# KiCad board keyboard - Hackpadv2.kicad_pcb
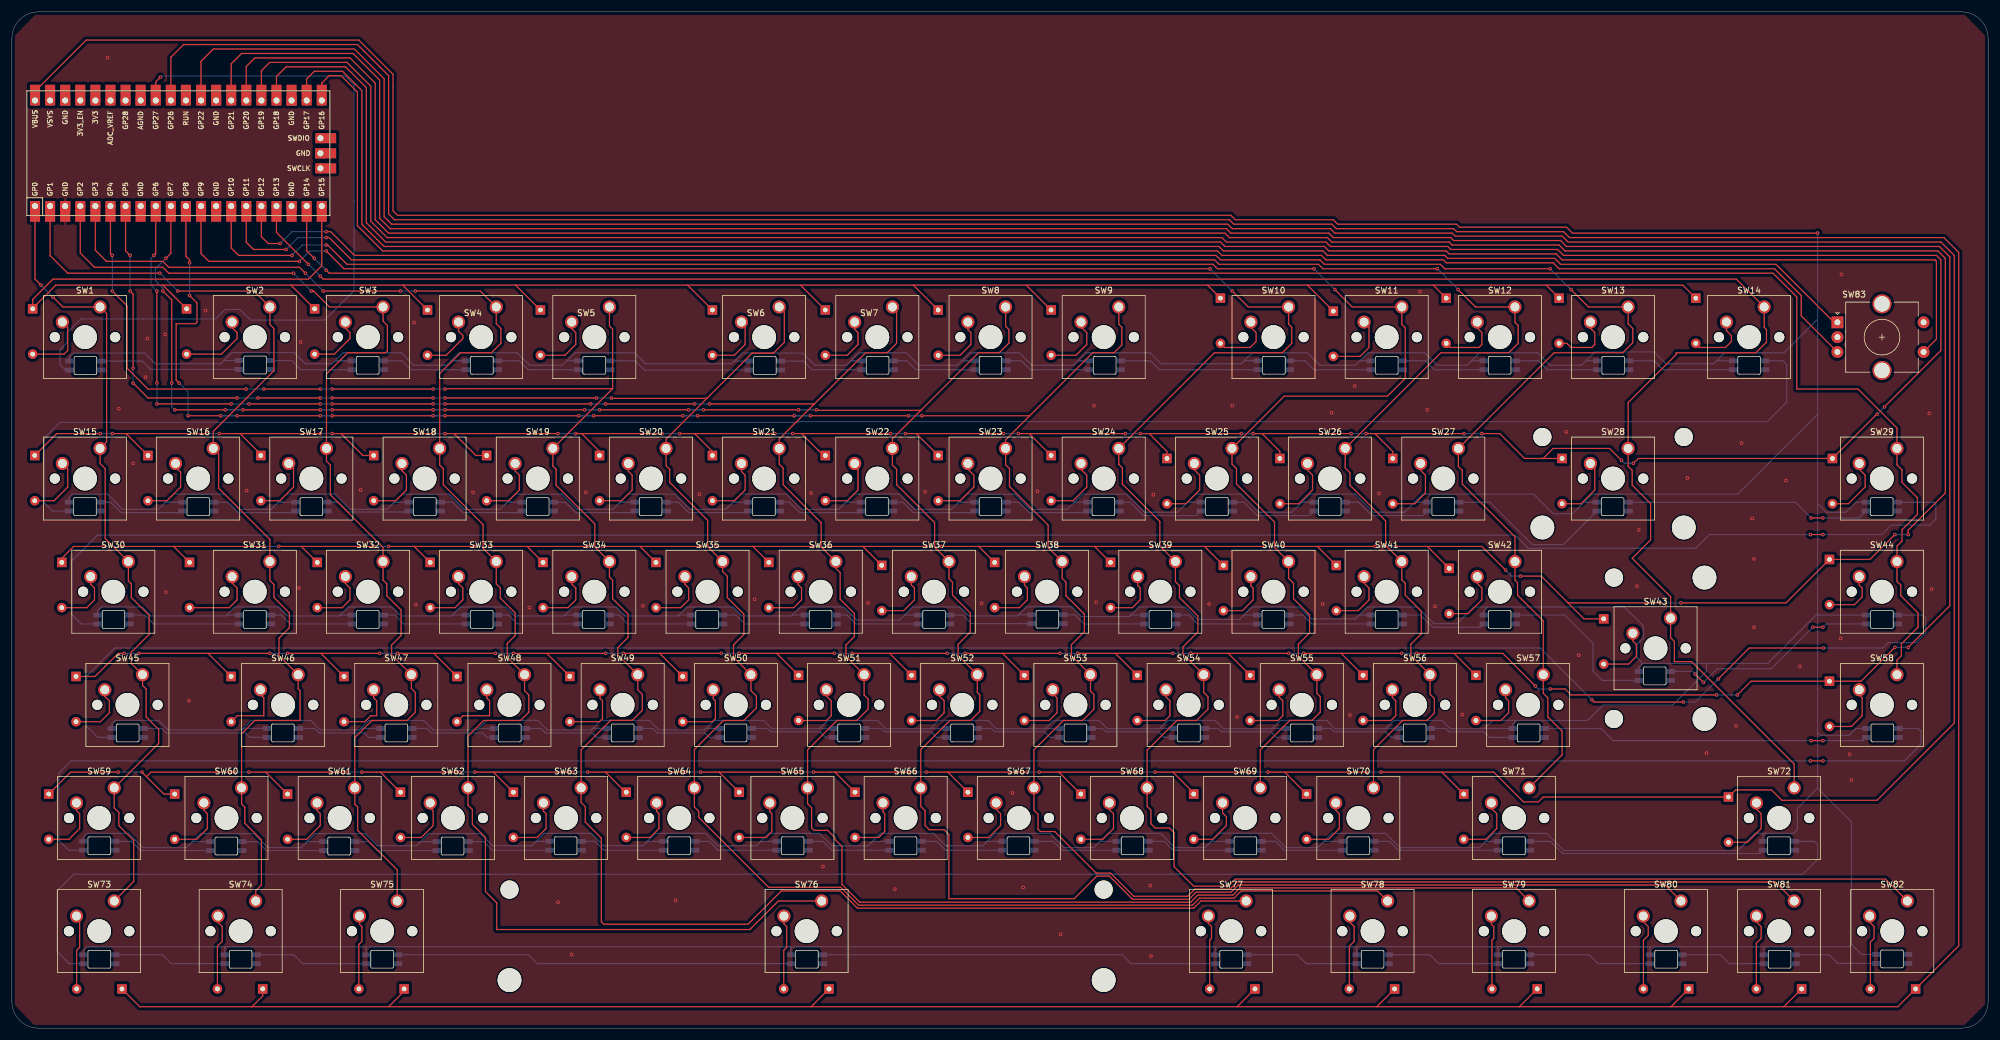
[diagram p0: board, top side]
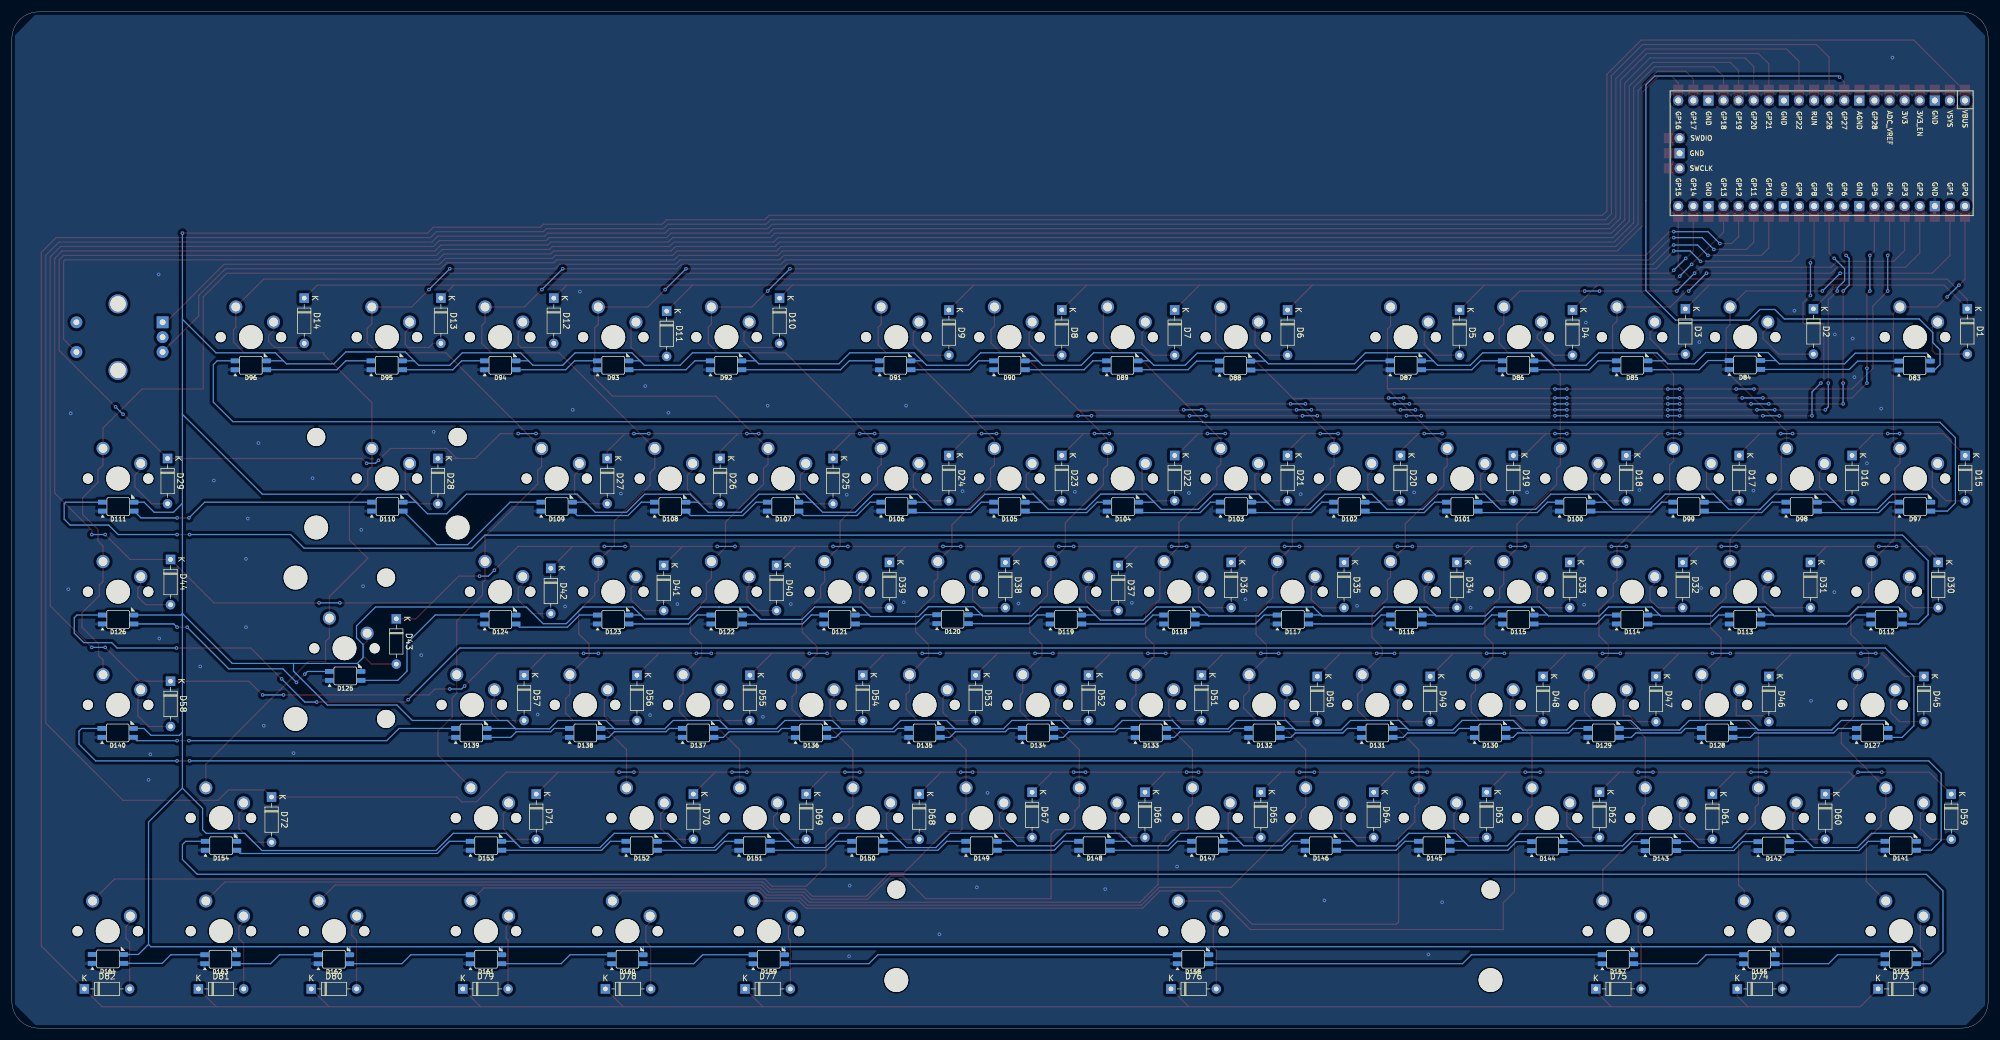
[diagram p1: board, bottom side, seen from below]

Outline 332.6 x 171.1 mm; copper layers: Top, Bottom. Coordinates in mm from the lower left corner of the outline.
Outline path: 0,166.6 0,4.5 arc(1.32,1.32) 4.5,0 328.02,0 arc(331.25,1.29) 332.6,4.5 332.6,166.6 arc(331.28,169.78) 328.1,171.1 4.5,171.1 arc(1.32,169.78) 0,166.6

## Placement (name value [footprint] x y rotation side)
D1  1N4148  [D_DO-35_SOD27_P7.62mm_Horizontal]  3.5 121.1 270 bottom
D2  1N4148  [D_DO-35_SOD27_P7.62mm_Horizontal]  29.4 121.1 270 bottom
D3  1N4148  [D_DO-35_SOD27_P7.62mm_Horizontal]  50.95 121.1 270 bottom
D4  1N4148  [D_DO-35_SOD27_P7.62mm_Horizontal]  69.95 120.91 270 bottom
D5  1N4148  [D_DO-35_SOD27_P7.62mm_Horizontal]  88.95 120.91 270 bottom
D6  1N4148  [D_DO-35_SOD27_P7.62mm_Horizontal]  117.9 120.91 270 bottom
D7  1N4148  [D_DO-35_SOD27_P7.62mm_Horizontal]  136.9 120.91 270 bottom
D8  1N4148  [D_DO-35_SOD27_P7.62mm_Horizontal]  155.9 120.91 270 bottom
D9  1N4148  [D_DO-35_SOD27_P7.62mm_Horizontal]  174.9 120.91 270 bottom
D10  1N4148  [D_DO-35_SOD27_P7.62mm_Horizontal]  203.4 122.91 270 bottom
D11  1N4148  [D_DO-35_SOD27_P7.62mm_Horizontal]  222.4 120.72 270 bottom
D12  1N4148  [D_DO-35_SOD27_P7.62mm_Horizontal]  241.4 122.91 270 bottom
D13  1N4148  [D_DO-35_SOD27_P7.62mm_Horizontal]  260.4 122.91 270 bottom
D14  1N4148  [D_DO-35_SOD27_P7.62mm_Horizontal]  283.4 122.91 270 bottom
D15  1N4148  [D_DO-35_SOD27_P7.62mm_Horizontal]  3.85 96.41 270 bottom
D16  1N4148  [D_DO-35_SOD27_P7.62mm_Horizontal]  22.9 96.41 270 bottom
D17  1N4148  [D_DO-35_SOD27_P7.62mm_Horizontal]  41.9 96.41 270 bottom
D18  1N4148  [D_DO-35_SOD27_P7.62mm_Horizontal]  60.9 96.41 270 bottom
D19  1N4148  [D_DO-35_SOD27_P7.62mm_Horizontal]  79.9 96.41 270 bottom
D20  1N4148  [D_DO-35_SOD27_P7.62mm_Horizontal]  98.9 96.41 270 bottom
D21  1N4148  [D_DO-35_SOD27_P7.62mm_Horizontal]  117.9 96.41 270 bottom
D22  1N4148  [D_DO-35_SOD27_P7.62mm_Horizontal]  136.9 96.41 270 bottom
D23  1N4148  [D_DO-35_SOD27_P7.62mm_Horizontal]  155.9 96.41 270 bottom
D24  1N4148  [D_DO-35_SOD27_P7.62mm_Horizontal]  174.9 96.41 270 bottom
D25  1N4148  [D_DO-35_SOD27_P7.62mm_Horizontal]  194.4 95.91 270 bottom
D26  1N4148  [D_DO-35_SOD27_P7.62mm_Horizontal]  213.4 95.91 270 bottom
D27  1N4148  [D_DO-35_SOD27_P7.62mm_Horizontal]  232.4 95.91 270 bottom
D28  1N4148  [D_DO-35_SOD27_P7.62mm_Horizontal]  260.9 95.91 270 bottom
D29  1N4148  [D_DO-35_SOD27_P7.62mm_Horizontal]  306.4 95.91 270 bottom
D30  1N4148  [D_DO-35_SOD27_P7.62mm_Horizontal]  8.4 78.41 270 bottom
D31  1N4148  [D_DO-35_SOD27_P7.62mm_Horizontal]  29.9 78.41 270 bottom
D32  1N4148  [D_DO-35_SOD27_P7.62mm_Horizontal]  51.4 78.41 270 bottom
D33  1N4148  [D_DO-35_SOD27_P7.62mm_Horizontal]  70.4 78.41 270 bottom
D34  1N4148  [D_DO-35_SOD27_P7.62mm_Horizontal]  89.4 78.41 270 bottom
D35  1N4148  [D_DO-35_SOD27_P7.62mm_Horizontal]  108.4 78.41 270 bottom
D36  1N4148  [D_DO-35_SOD27_P7.62mm_Horizontal]  127.4 78.41 270 bottom
D37  1N4148  [D_DO-35_SOD27_P7.62mm_Horizontal]  146.4 77.91 270 bottom
D38  1N4148  [D_DO-35_SOD27_P7.62mm_Horizontal]  165.4 78.41 270 bottom
D39  1N4148  [D_DO-35_SOD27_P7.62mm_Horizontal]  184.9 78.41 270 bottom
D40  1N4148  [D_DO-35_SOD27_P7.62mm_Horizontal]  203.9 77.91 270 bottom
D41  1N4148  [D_DO-35_SOD27_P7.62mm_Horizontal]  222.9 77.91 270 bottom
D42  1N4148  [D_DO-35_SOD27_P7.62mm_Horizontal]  241.9 77.41 270 bottom
D43  1N4148  [D_DO-35_SOD27_P7.62mm_Horizontal]  267.9 68.91 270 bottom
D44  1N4148  [D_DO-35_SOD27_P7.62mm_Horizontal]  305.9 78.91 270 bottom
D45  1N4148  [D_DO-35_SOD27_P7.62mm_Horizontal]  10.8 59.21 270 bottom
D46  1N4148  [D_DO-35_SOD27_P7.62mm_Horizontal]  36.9 59.21 270 bottom
D47  1N4148  [D_DO-35_SOD27_P7.62mm_Horizontal]  55.9 59.21 270 bottom
D48  1N4148  [D_DO-35_SOD27_P7.62mm_Horizontal]  74.9 59.21 270 bottom
D49  1N4148  [D_DO-35_SOD27_P7.62mm_Horizontal]  93.9 59.22 270 bottom
D50  1N4148  [D_DO-35_SOD27_P7.62mm_Horizontal]  112.9 59.21 270 bottom
D51  1N4148  [D_DO-35_SOD27_P7.62mm_Horizontal]  132.4 59.41 270 bottom
D52  1N4148  [D_DO-35_SOD27_P7.62mm_Horizontal]  151.4 59.41 270 bottom
D53  1N4148  [D_DO-35_SOD27_P7.62mm_Horizontal]  170.4 59.41 270 bottom
D54  1N4148  [D_DO-35_SOD27_P7.62mm_Horizontal]  189.4 59.41 270 bottom
D55  1N4148  [D_DO-35_SOD27_P7.62mm_Horizontal]  208.4 59.41 270 bottom
D56  1N4148  [D_DO-35_SOD27_P7.62mm_Horizontal]  227.4 59.41 270 bottom
D57  1N4148  [D_DO-35_SOD27_P7.62mm_Horizontal]  246.4 59.41 270 bottom
D58  1N4148  [D_DO-35_SOD27_P7.62mm_Horizontal]  305.9 58.41 270 bottom
D59  1N4148  [D_DO-35_SOD27_P7.62mm_Horizontal]  6.2 39.41 270 bottom
D60  1N4148  [D_DO-35_SOD27_P7.62mm_Horizontal]  27.4 39.41 270 bottom
D61  1N4148  [D_DO-35_SOD27_P7.62mm_Horizontal]  46.4 39.41 270 bottom
D62  1N4148  [D_DO-35_SOD27_P7.62mm_Horizontal]  65.4 39.72 270 bottom
D63  1N4148  [D_DO-35_SOD27_P7.62mm_Horizontal]  84.4 39.72 270 bottom
D64  1N4148  [D_DO-35_SOD27_P7.62mm_Horizontal]  103.4 39.72 270 bottom
D65  1N4148  [D_DO-35_SOD27_P7.62mm_Horizontal]  122.4 39.72 270 bottom
D66  1N4148  [D_DO-35_SOD27_P7.62mm_Horizontal]  141.9 39.72 270 bottom
D67  1N4148  [D_DO-35_SOD27_P7.62mm_Horizontal]  160.9 39.72 270 bottom
D68  1N4148  [D_DO-35_SOD27_P7.62mm_Horizontal]  179.9 39.41 270 bottom
D69  1N4148  [D_DO-35_SOD27_P7.62mm_Horizontal]  198.9 39.41 270 bottom
D70  1N4148  [D_DO-35_SOD27_P7.62mm_Horizontal]  217.9 39.41 270 bottom
D71  1N4148  [D_DO-35_SOD27_P7.62mm_Horizontal]  244.35 39.41 270 bottom
D72  1N4148  [D_DO-35_SOD27_P7.62mm_Horizontal]  288.9 38.91 270 bottom
D73  1N4148  [D_DO-35_SOD27_P7.62mm_Horizontal]  18.52 6.6 180 bottom
D74  1N4148  [D_DO-35_SOD27_P7.62mm_Horizontal]  42.21 6.6 180 bottom
D75  1N4148  [D_DO-35_SOD27_P7.62mm_Horizontal]  66.02 6.6 180 bottom
D76  1N4148  [D_DO-35_SOD27_P7.62mm_Horizontal]  137.52 6.6 180 bottom
D77  1N4148  [D_DO-35_SOD27_P7.62mm_Horizontal]  209.21 6.6 180 bottom
D78  1N4148  [D_DO-35_SOD27_P7.62mm_Horizontal]  232.71 6.6 180 bottom
D79  1N4148  [D_DO-35_SOD27_P7.62mm_Horizontal]  256.71 6.6 180 bottom
D80  1N4148  [D_DO-35_SOD27_P7.62mm_Horizontal]  282.21 6.6 180 bottom
D81  1N4148  [D_DO-35_SOD27_P7.62mm_Horizontal]  301.21 6.6 180 bottom
D82  1N4148  [D_DO-35_SOD27_P7.62mm_Horizontal]  320.4 6.6 180 bottom
D83  LED_SK6812MINI  [SK6812-MINI-E]  12.38 111.55 180 bottom
D84  LED_SK6812MINI  [SK6812-MINI-E]  40.93 111.65 180 bottom
D85  LED_SK6812MINI  [SK6812-MINI-E]  59.9 111.6 180 bottom
D86  LED_SK6812MINI  [SK6812-MINI-E]  79.1 111.6 180 bottom
D87  LED_SK6812MINI  [SK6812-MINI-E]  98 111.6 180 bottom
D88  LED_SK6812MINI  [SK6812-MINI-E]  126.73 111.55 180 bottom
D89  LED_SK6812MINI  [SK6812-MINI-E]  145.7 111.6 180 bottom
D90  LED_SK6812MINI  [SK6812-MINI-E]  164.7 111.6 180 bottom
D91  LED_SK6812MINI  [SK6812-MINI-E]  183.93 111.6 180 bottom
D92  LED_SK6812MINI  [SK6812-MINI-E]  212.4 111.6 180 bottom
D93  LED_SK6812MINI  [SK6812-MINI-E]  231.4 111.6 180 bottom
D94  LED_SK6812MINI  [SK6812-MINI-E]  250.4 111.6 180 bottom
D95  LED_SK6812MINI  [SK6812-MINI-E]  269.5 111.6 180 bottom
D96  LED_SK6812MINI  [SK6812-MINI-E]  292.38 111.6 180 bottom
D97  LED_SK6812MINI  [SK6812-MINI-E]  12.3 87.8 180 bottom
D98  LED_SK6812MINI  [SK6812-MINI-E]  31.38 87.8 180 bottom
D99  LED_SK6812MINI  [SK6812-MINI-E]  50.4 87.8 180 bottom
D100  LED_SK6812MINI  [SK6812-MINI-E]  69.5 87.8 180 bottom
D101  LED_SK6812MINI  [SK6812-MINI-E]  88.5 87.8 180 bottom
D102  LED_SK6812MINI  [SK6812-MINI-E]  107.5 87.8 180 bottom
D103  LED_SK6812MINI  [SK6812-MINI-E]  126.58 87.8 180 bottom
D104  LED_SK6812MINI  [SK6812-MINI-E]  145.6 87.8 180 bottom
D105  LED_SK6812MINI  [SK6812-MINI-E]  164.7 87.8 180 bottom
D106  LED_SK6812MINI  [SK6812-MINI-E]  183.7 87.8 180 bottom
D107  LED_SK6812MINI  [SK6812-MINI-E]  202.8 87.8 180 bottom
D108  LED_SK6812MINI  [SK6812-MINI-E]  221.8 87.8 180 bottom
D109  LED_SK6812MINI  [SK6812-MINI-E]  240.9 87.8 180 bottom
D110  LED_SK6812MINI  [SK6812-MINI-E]  269.4 87.8 180 bottom
D111  LED_SK6812MINI  [SK6812-MINI-E]  314.7 87.8 180 bottom
D112  LED_SK6812MINI  [SK6812-MINI-E]  17.1 68.8 180 bottom
D113  LED_SK6812MINI  [SK6812-MINI-E]  40.9 68.8 180 bottom
D114  LED_SK6812MINI  [SK6812-MINI-E]  59.9 68.8 180 bottom
D115  LED_SK6812MINI  [SK6812-MINI-E]  79.08 68.8 180 bottom
D116  LED_SK6812MINI  [SK6812-MINI-E]  97.9 68.8 180 bottom
D117  LED_SK6812MINI  [SK6812-MINI-E]  117 68.8 180 bottom
D118  LED_SK6812MINI  [SK6812-MINI-E]  136.1 68.8 180 bottom
D119  LED_SK6812MINI  [SK6812-MINI-E]  155.2 68.8 180 bottom
D120  LED_SK6812MINI  [SK6812-MINI-E]  174.28 68.85 180 bottom
D121  LED_SK6812MINI  [SK6812-MINI-E]  193.3 68.8 180 bottom
D122  LED_SK6812MINI  [SK6812-MINI-E]  212.3 68.8 180 bottom
D123  LED_SK6812MINI  [SK6812-MINI-E]  231.4 68.8 180 bottom
D124  LED_SK6812MINI  [SK6812-MINI-E]  250.4 68.8 180 bottom
D125  LED_SK6812MINI  [SK6812-MINI-E]  276.5 59.3 180 bottom
D126  LED_SK6812MINI  [SK6812-MINI-E]  314.72 68.8 180 bottom
D127  LED_SK6812MINI  [SK6812-MINI-E]  19.5 49.7 180 bottom
D128  LED_SK6812MINI  [SK6812-MINI-E]  45.6 49.7 180 bottom
D129  LED_SK6812MINI  [SK6812-MINI-E]  64.7 49.7 180 bottom
D130  LED_SK6812MINI  [SK6812-MINI-E]  83.8 49.7 180 bottom
D131  LED_SK6812MINI  [SK6812-MINI-E]  102.8 49.7 180 bottom
D132  LED_SK6812MINI  [SK6812-MINI-E]  121.8 49.7 180 bottom
D133  LED_SK6812MINI  [SK6812-MINI-E]  140.9 49.7 180 bottom
D134  LED_SK6812MINI  [SK6812-MINI-E]  159.9 49.7 180 bottom
D135  LED_SK6812MINI  [SK6812-MINI-E]  179 49.7 180 bottom
D136  LED_SK6812MINI  [SK6812-MINI-E]  198.1 49.7 180 bottom
D137  LED_SK6812MINI  [SK6812-MINI-E]  217.1 49.7 180 bottom
D138  LED_SK6812MINI  [SK6812-MINI-E]  236.1 49.7 180 bottom
D139  LED_SK6812MINI  [SK6812-MINI-E]  255.28 49.7 180 bottom
D140  LED_SK6812MINI  [SK6812-MINI-E]  314.8 49.7 180 bottom
D141  LED_SK6812MINI  [SK6812-MINI-E]  14.7 30.7 180 bottom
D142  LED_SK6812MINI  [SK6812-MINI-E]  36.08 30.65 180 bottom
D143  LED_SK6812MINI  [SK6812-MINI-E]  55.08 30.65 180 bottom
D144  LED_SK6812MINI  [SK6812-MINI-E]  74.18 30.65 180 bottom
D145  LED_SK6812MINI  [SK6812-MINI-E]  93.2 30.7 180 bottom
D146  LED_SK6812MINI  [SK6812-MINI-E]  112.3 30.7 180 bottom
D147  LED_SK6812MINI  [SK6812-MINI-E]  131.4 30.7 180 bottom
D148  LED_SK6812MINI  [SK6812-MINI-E]  150.4 30.7 180 bottom
D149  LED_SK6812MINI  [SK6812-MINI-E]  169.4 30.7 180 bottom
D150  LED_SK6812MINI  [SK6812-MINI-E]  188.6 30.7 180 bottom
D151  LED_SK6812MINI  [SK6812-MINI-E]  207.6 30.7 180 bottom
D152  LED_SK6812MINI  [SK6812-MINI-E]  226.6 30.7 180 bottom
D153  LED_SK6812MINI  [SK6812-MINI-E]  252.8 30.7 180 bottom
D154  LED_SK6812MINI  [SK6812-MINI-E]  297.4 30.7 180 bottom
D155  LED_SK6812MINI  [SK6812-MINI-E]  14.7 11.6 180 bottom
D156  LED_SK6812MINI  [SK6812-MINI-E]  38.5 11.6 180 bottom
D157  LED_SK6812MINI  [SK6812-MINI-E]  62.3 11.6 180 bottom
D158  LED_SK6812MINI  [SK6812-MINI-E]  133.8 11.6 180 bottom
D159  LED_SK6812MINI  [SK6812-MINI-E]  205.2 11.6 180 bottom
D160  LED_SK6812MINI  [SK6812-MINI-E]  229 11.6 180 bottom
D161  LED_SK6812MINI  [SK6812-MINI-E]  252.8 11.6 180 bottom
D162  LED_SK6812MINI  [SK6812-MINI-E]  278.4 11.6 180 bottom
D163  LED_SK6812MINI  [SK6812-MINI-E]  297.5 11.6 180 bottom
D164  LED_SK6812MINI  [SK6812-MINI-E]  316.43 11.65 180 bottom
SW1  SW_Push  [SW_Cherry_MX_1.00u_PCB]  14.85 121.42 0 top
SW2  SW_Push  [SW_Cherry_MX_1.00u_PCB]  43.42 121.42 0 top
SW3  SW_Push  [SW_Cherry_MX_1.00u_PCB]  62.47 121.42 0 top
SW4  SW_Push  [SW_Cherry_MX_1.00u_PCB]  81.52 121.42 0 top
SW5  SW_Push  [SW_Cherry_MX_1.00u_PCB]  100.57 121.42 0 top
SW6  SW_Push  [SW_Cherry_MX_1.00u_PCB]  129.15 121.42 0 top
SW7  SW_Push  [SW_Cherry_MX_1.00u_PCB]  148.2 121.42 0 top
SW8  SW_Push  [SW_Cherry_MX_1.00u_PCB]  167.25 121.42 0 top
SW9  SW_Push  [SW_Cherry_MX_1.00u_PCB]  186.3 121.42 0 top
SW10  SW_Push  [SW_Cherry_MX_1.00u_PCB]  214.87 121.42 0 top
SW11  SW_Push  [SW_Cherry_MX_1.00u_PCB]  233.92 121.42 0 top
SW12  SW_Push  [SW_Cherry_MX_1.00u_PCB]  252.97 121.42 0 top
SW13  SW_Push  [SW_Cherry_MX_1.00u_PCB]  272.02 121.42 0 top
SW14  SW_Push  [SW_Cherry_MX_1.00u_PCB]  294.91 121.42 0 top
SW15  SW_Push  [SW_Cherry_MX_1.00u_PCB]  14.85 97.6 0 top
SW16  SW_Push  [SW_Cherry_MX_1.00u_PCB]  33.9 97.6 0 top
SW17  SW_Push  [SW_Cherry_MX_1.00u_PCB]  52.95 97.6 0 top
SW18  SW_Push  [SW_Cherry_MX_1.00u_PCB]  72 97.6 0 top
SW19  SW_Push  [SW_Cherry_MX_1.00u_PCB]  91.05 97.6 0 top
SW20  SW_Push  [SW_Cherry_MX_1.00u_PCB]  110.1 97.6 0 top
SW21  SW_Push  [SW_Cherry_MX_1.00u_PCB]  129.15 97.6 0 top
SW22  SW_Push  [SW_Cherry_MX_1.00u_PCB]  148.2 97.6 0 top
SW23  SW_Push  [SW_Cherry_MX_1.00u_PCB]  167.25 97.6 0 top
SW24  SW_Push  [SW_Cherry_MX_1.00u_PCB]  186.3 97.6 0 top
SW25  SW_Push  [SW_Cherry_MX_1.00u_PCB]  205.35 97.6 0 top
SW26  SW_Push  [SW_Cherry_MX_1.00u_PCB]  224.4 97.6 0 top
SW27  SW_Push  [SW_Cherry_MX_1.00u_PCB]  243.45 97.6 0 top
SW28  SW_Push  [SW_Cherry_MX_2.00u_PCB]  272.02 97.6 0 top
SW29  SW_Push  [SW_Cherry_MX_1.00u_PCB]  317.26 97.6 0 top
SW30  SW_Push  [SW_Cherry_MX_1.50u_PCB]  19.61 78.55 0 top
SW31  SW_Push  [SW_Cherry_MX_1.00u_PCB]  43.42 78.55 0 top
SW32  SW_Push  [SW_Cherry_MX_1.00u_PCB]  62.47 78.55 0 top
SW33  SW_Push  [SW_Cherry_MX_1.00u_PCB]  81.52 78.55 0 top
SW34  SW_Push  [SW_Cherry_MX_1.00u_PCB]  100.57 78.55 0 top
SW35  SW_Push  [SW_Cherry_MX_1.00u_PCB]  119.62 78.55 0 top
SW36  SW_Push  [SW_Cherry_MX_1.00u_PCB]  138.67 78.55 0 top
SW37  SW_Push  [SW_Cherry_MX_1.00u_PCB]  157.72 78.55 0 top
SW38  SW_Push  [SW_Cherry_MX_1.00u_PCB]  176.77 78.55 0 top
SW39  SW_Push  [SW_Cherry_MX_1.00u_PCB]  195.82 78.55 0 top
SW40  SW_Push  [SW_Cherry_MX_1.00u_PCB]  214.87 78.55 0 top
SW41  SW_Push  [SW_Cherry_MX_1.00u_PCB]  233.92 78.55 0 top
SW42  SW_Push  [SW_Cherry_MX_1.00u_PCB]  252.97 78.55 0 top
SW43  SW_Push  [SW_Cherry_MX_ISOEnter_PCB]  279.16 69.03 0 top
SW44  SW_Push  [SW_Cherry_MX_1.00u_PCB]  317.26 78.55 0 top
SW45  SW_Push  [SW_Cherry_MX_1.75u_PCB]  21.99 59.5 0 top
SW46  SW_Push  [SW_Cherry_MX_1.00u_PCB]  48.18 59.5 0 top
SW47  SW_Push  [SW_Cherry_MX_1.00u_PCB]  67.23 59.5 0 top
SW48  SW_Push  [SW_Cherry_MX_1.00u_PCB]  86.28 59.5 0 top
SW49  SW_Push  [SW_Cherry_MX_1.00u_PCB]  105.33 59.5 0 top
SW50  SW_Push  [SW_Cherry_MX_1.00u_PCB]  124.38 59.5 0 top
SW51  SW_Push  [SW_Cherry_MX_1.00u_PCB]  143.43 59.5 0 top
SW52  SW_Push  [SW_Cherry_MX_1.00u_PCB]  162.48 59.5 0 top
SW53  SW_Push  [SW_Cherry_MX_1.00u_PCB]  181.53 59.5 0 top
SW54  SW_Push  [SW_Cherry_MX_1.00u_PCB]  200.58 59.5 0 top
SW55  SW_Push  [SW_Cherry_MX_1.00u_PCB]  219.63 59.5 0 top
SW56  SW_Push  [SW_Cherry_MX_1.00u_PCB]  238.68 59.5 0 top
SW57  SW_Push  [SW_Cherry_MX_1.00u_PCB]  257.73 59.5 0 top
SW58  SW_Push  [SW_Cherry_MX_1.00u_PCB]  317.26 59.5 0 top
SW59  SW_Push  [SW_Cherry_MX_1.25u_PCB]  17.23 40.45 0 top
SW60  SW_Push  [SW_Cherry_MX_1.00u_PCB]  38.66 40.45 0 top
SW61  SW_Push  [SW_Cherry_MX_1.00u_PCB]  57.71 40.45 0 top
SW62  SW_Push  [SW_Cherry_MX_1.00u_PCB]  76.76 40.45 0 top
SW63  SW_Push  [SW_Cherry_MX_1.00u_PCB]  95.81 40.45 0 top
SW64  SW_Push  [SW_Cherry_MX_1.00u_PCB]  114.86 40.45 0 top
SW65  SW_Push  [SW_Cherry_MX_1.00u_PCB]  133.91 40.45 0 top
SW66  SW_Push  [SW_Cherry_MX_1.00u_PCB]  152.96 40.45 0 top
SW67  SW_Push  [SW_Cherry_MX_1.00u_PCB]  172.01 40.45 0 top
SW68  SW_Push  [SW_Cherry_MX_1.00u_PCB]  191.06 40.45 0 top
SW69  SW_Push  [SW_Cherry_MX_1.00u_PCB]  210.11 40.45 0 top
SW70  SW_Push  [SW_Cherry_MX_1.00u_PCB]  229.16 40.45 0 top
SW71  SW_Push  [SW_Cherry_MX_1.75u_PCB]  255.35 40.45 0 top
SW72  SW_Push  [SW_Cherry_MX_1.00u_PCB]  299.96 40.45 0 top
SW73  SW_Push  [SW_Cherry_MX_1.25u_PCB]  17.23 21.41 0 top
SW74  SW_Push  [SW_Cherry_MX_1.25u_PCB]  41.04 21.41 0 top
SW75  SW_Push  [SW_Cherry_MX_1.25u_PCB]  64.85 21.41 0 top
SW76  SW_Push  [SW_Cherry_MX_6.25u_PCB]  136.29 21.41 0 top
SW77  SW_Push  [SW_Cherry_MX_1.25u_PCB]  207.73 21.41 0 top
SW78  SW_Push  [SW_Cherry_MX_1.25u_PCB]  231.54 21.41 0 top
SW79  SW_Push  [SW_Cherry_MX_1.25u_PCB]  255.35 21.41 0 top
SW80  SW_Push  [SW_Cherry_MX_1.00u_PCB]  280.91 21.41 0 top
SW81  SW_Push  [SW_Cherry_MX_1.00u_PCB]  299.96 21.41 0 top
SW82  SW_Push  [SW_Cherry_MX_1.00u_PCB]  319.01 21.41 0 top
SW83  RotaryEncoder_Switch  [RotaryEncoder_Alps_EC11E-Switch_Vertical_H20mm_CircularMountingHoles]  307.24 118.84 0 top
U1  -  [Raspberry_Pi_Pico]  28.02 147.29 90 top

## Library data of the parts
D1-D82 = -: Datasheet: https://assets.nexperia.com/documents/data-sheet/1N4148_1N4448.pdf; Description: 100V 0.15A standard switching diode, DO-35; Sim.Device: D; Sim.Pins: 1=K 2=A; ki_fp_filters: D*DO?35*
D83-D164 = -: Datasheet: https://cdn-shop.adafruit.com/product-files/2686/SK6812MINI_REV.01-1-2.pdf; Description: RGB LED with integrated controller; LCSC: C5149201; ki_fp_filters: LED*SK6812MINI*PLCC*3.5x3.5mm*P1.75mm*
SW1-SW82 = -: Description: Push button switch, generic, two pins
SW83 = -: Description: Rotary encoder, dual channel, incremental quadrate outputs, with switch; ki_fp_filters: RotaryEncoder*Switch*

## Footprints (pads in the part's own frame, mm; a bottom-side part is the same pattern mirrored in y, then rotated)
D_DO-35_SOD27_P7.62mm_Horizontal
  rect 1.6x1.6 hole 0.8: 1(0,0)
  oval 1.6x1.6 hole 0.8: 2(7.62,0)
Raspberry_Pi_Pico
  oval 1.7x1.7 hole 1.02: 1(-8.89,24.13) 2(-8.89,21.59) 4(-8.89,16.51) 5(-8.89,13.97) 6(-8.89,11.43) 7(-8.89,8.89) 9(-8.89,3.81) 10(-8.89,1.27) 11(-8.89,-1.27) 12(-8.89,-3.81) 14(-8.89,-8.89) 15(-8.89,-11.43) 16(-8.89,-13.97) 17(-8.89,-16.51) 19(-8.89,-21.59) 20(-8.89,-24.13) 21(8.89,-24.13) 22(8.89,-21.59) 24(8.89,-16.51) 25(8.89,-13.97) 26(8.89,-11.43) 27(8.89,-8.89) 29(8.89,-3.81) 30(8.89,-1.27) 31(8.89,1.27) 32(8.89,3.81) 34(8.89,8.89) 35(8.89,11.43) 36(8.89,13.97) 37(8.89,16.51) 39(8.89,21.59) 40(8.89,24.13) 41(-2.54,-23.9) 43(2.54,-23.9)
  rect 3.5x1.7 smd: 1(-8.89,24.13) 2(-8.89,21.59) 3(-8.89,19.05) 4(-8.89,16.51) 5(-8.89,13.97) 6(-8.89,11.43) 7(-8.89,8.89) 8(-8.89,6.35) 9(-8.89,3.81) 10(-8.89,1.27) 11(-8.89,-1.27) 12(-8.89,-3.81) 13(-8.89,-6.35) 14(-8.89,-8.89) 15(-8.89,-11.43) 16(-8.89,-13.97) 17(-8.89,-16.51) 18(-8.89,-19.05) 19(-8.89,-21.59) 20(-8.89,-24.13) 21(8.89,-24.13) 22(8.89,-21.59) 23(8.89,-19.05) 24(8.89,-16.51) 25(8.89,-13.97) 26(8.89,-11.43) 27(8.89,-8.89) 28(8.89,-6.35) 29(8.89,-3.81) 30(8.89,-1.27) 31(8.89,1.27) 32(8.89,3.81) 33(8.89,6.35) 34(8.89,8.89) 35(8.89,11.43) 36(8.89,13.97) 37(8.89,16.51) 38(8.89,19.05) 39(8.89,21.59) 40(8.89,24.13)
  rect 1.7x1.7 hole 1.02: 3(-8.89,19.05) 8(-8.89,6.35) 13(-8.89,-6.35) 18(-8.89,-19.05) 23(8.89,-19.05) 28(8.89,-6.35) 33(8.89,6.35) 38(8.89,19.05) 42(0,-23.9)
  rect 1.7x3.5 smd: 41(-2.54,-23.9) 42(0,-23.9) 43(2.54,-23.9)
RotaryEncoder_Alps_EC11E-Switch_Vertical_H20mm_CircularMountingHoles
  rect 2x2 hole 1: A(0,0)
  round 2 hole 1: B(0,-5) C(0,-2.5) S1(14.5,-5) S2(14.5,0)
  round 3.2 hole 2.6: MP(7.5,3.1) MP(7.5,-8.1)
SK6812-MINI-E
  rect 1.45x0.82 smd: 1(-2.675,-0.75) 2(-2.675,0.75) 4(2.675,-0.75)
  rrect 1.45x0.82 smd: 3(2.675,0.75)
SW_Cherry_MX_1.00u_PCB
  round 1.7 hole 1.7 unplated: (-7.62,-5.08) (2.54,-5.08)
  round 4 hole 4 unplated: (-2.54,-5.08)
  round 2.2 hole 1.5: 1(0,0) 2(-6.35,-2.54)
SW_Cherry_MX_1.25u_PCB
  round 1.7 hole 1.7 unplated: (-7.62,-5.08) (2.54,-5.08)
  round 4 hole 4 unplated: (-2.54,-5.08)
  round 2.2 hole 1.5: 1(0,0) 2(-6.35,-2.54)
SW_Cherry_MX_1.50u_PCB
  round 1.7 hole 1.7 unplated: (-7.62,-5.08) (2.54,-5.08)
  round 4 hole 4 unplated: (-2.54,-5.08)
  round 2.2 hole 1.5: 1(0,0) 2(-6.35,-2.54)
SW_Cherry_MX_1.75u_PCB
  round 1.7 hole 1.7 unplated: (-7.62,-5.08) (2.54,-5.08)
  round 4 hole 4 unplated: (-2.54,-5.08)
  round 2.2 hole 1.5: 1(0,0) 2(-6.35,-2.54)
SW_Cherry_MX_2.00u_PCB
  round 3.05 hole 3.05 unplated: (-14.44,1.92) (9.36,1.92)
  round 4 hole 4 unplated: (-14.44,-13.32) (-2.54,-5.08) (9.36,-13.32)
  round 1.7 hole 1.7 unplated: (-7.62,-5.08) (2.54,-5.08)
  round 2.2 hole 1.5: 1(0,0) 2(-6.35,-2.54)
SW_Cherry_MX_6.25u_PCB
  round 3.05 hole 3.05 unplated: (-52.54,1.92) (47.46,1.92)
  round 4 hole 4 unplated: (-52.54,-13.32) (-2.54,-5.08) (47.46,-13.32)
  round 1.7 hole 1.7 unplated: (-7.62,-5.08) (2.54,-5.08)
  round 2.2 hole 1.5: 1(0,0) 2(-6.35,-2.54)
SW_Cherry_MX_ISOEnter_PCB
  round 3.05 hole 3.05 unplated: (-9.54,6.82) (-9.54,-16.98)
  round 1.7 hole 1.7 unplated: (-7.62,-5.08) (2.54,-5.08)
  round 4 hole 4 unplated: (-2.54,-5.08) (5.7,6.82) (5.7,-16.98)
  round 2.2 hole 1.5: 1(0,0) 2(-6.35,-2.54)

## Nets
GND: D83.1 D84.1 D85.1 D86.1 D87.1 D88.1 D89.1 D90.1 D91.1 D92.1 D93.1 D94.1 D95.1 D96.1 D97.1 D98.1 D99.1 D100.1 D101.1 D102.1 D103.1 D104.1 D105.1 D106.1 D107.1 D108.1 D109.1 D110.1 D111.1 D112.1 D113.1 D114.1 D115.1 D116.1 D117.1 D118.1 D119.1 D120.1 D121.1 D122.1 D123.1 D124.1 D125.1 D126.1 D127.1 D128.1 D129.1 D130.1 D131.1 D132.1 D133.1 D134.1 D135.1 D136.1 D137.1 D138.1 D139.1 D140.1 D141.1 D142.1 D143.1 D144.1 D145.1 D146.1 D147.1 D148.1 D149.1 D150.1 D151.1 D152.1 D153.1 D154.1 D155.1 D156.1 D157.1 D158.1 D159.1 D160.1 D161.1 D162.1 D163.1 D164.1 U1.3
Column 0: SW1.1 SW15.1 SW30.1 SW45.1 SW59.1 SW73.1 U1.1
Column 1: SW2.1 SW16.1 SW31.1 SW46.1 SW60.1 SW74.1 U1.2
Column 2: SW3.1 SW17.1 SW32.1 SW47.1 SW61.1 SW75.1 U1.4
Column 3: SW4.1 SW18.1 SW33.1 SW48.1 SW62.1 SW76.1 U1.5
Column 4: SW5.1 SW19.1 SW34.1 SW49.1 SW63.1 SW77.1 U1.6
Column 5: SW6.1 SW20.1 SW35.1 SW50.1 SW64.1 SW78.1 U1.7
Column 6: SW7.1 SW21.1 SW36.1 SW51.1 SW65.1 SW79.1 U1.9
Column 7: SW8.1 SW22.1 SW37.1 SW52.1 SW66.1 SW80.1 U1.10
Column 8: SW9.1 SW23.1 SW38.1 SW53.1 SW67.1 SW81.1 U1.11
Column 9: SW10.1 SW24.1 SW39.1 SW54.1 SW68.1 SW82.1 U1.12
Column 10: SW11.1 SW25.1 SW40.1 SW55.1 SW69.1 U1.14
Column 11: SW12.1 SW26.1 SW41.1 SW56.1 SW70.1 U1.15
Column 12: SW13.1 SW27.1 SW42.1 SW57.1 SW71.1 U1.16
Column 13: SW14.1 SW28.1 SW43.1 SW72.1 U1.17
Column 14: SW29.1 SW44.1 SW58.1 U1.19
LEDData: D83.4 U1.32
RotaryA: SW83.A U1.22
RotaryB: SW83.B U1.21
RotaryS1: SW83.S1 U1.24
Row 0: D1.1 D2.1 D3.1 D4.1 D5.1 D6.1 D7.1 D8.1 D9.1 D10.1 D11.1 D12.1 D13.1 D14.1 U1.20
Row 1: D15.1 D16.1 D17.1 D18.1 D19.1 D20.1 D21.1 D22.1 D23.1 D24.1 D25.1 D26.1 D27.1 D28.1 D29.1 U1.25
Row 2: D30.1 D31.1 D32.1 D33.1 D34.1 D35.1 D36.1 D37.1 D38.1 D39.1 D40.1 D41.1 D42.1 D43.1 D44.1 U1.26
Row 3: D45.1 D46.1 D47.1 D48.1 D49.1 D50.1 D51.1 D52.1 D53.1 D54.1 D55.1 D56.1 D57.1 D58.1 U1.27
Row 4: D59.1 D60.1 D61.1 D62.1 D63.1 D64.1 D65.1 D66.1 D67.1 D68.1 D69.1 D70.1 D71.1 D72.1 U1.29
Row 5: D73.1 D74.1 D75.1 D76.1 D77.1 D78.1 D79.1 D80.1 D81.1 D82.1 U1.31
To5V: D83.3 D84.3 D85.3 D86.3 D87.3 D88.3 D89.3 D90.3 D91.3 D92.3 D93.3 D94.3 D95.3 D96.3 D97.3 D98.3 D99.3 D100.3 D101.3 D102.3 D103.3 D104.3 D105.3 D106.3 D107.3 D108.3 D109.3 D110.3 D111.3 D112.3 D113.3 D114.3 D115.3 D116.3 D117.3 D118.3 D119.3 D120.3 D121.3 D122.3 D123.3 D124.3 D125.3 D126.3 D127.3 D128.3 D129.3 D130.3 D131.3 D132.3 D133.3 D134.3 D135.3 D136.3 D137.3 D138.3 D139.3 D140.3 D141.3 D142.3 D143.3 D144.3 D145.3 D146.3 D147.3 D148.3 D149.3 D150.3 D151.3 D152.3 D153.3 D154.3 D155.3 D156.3 D157.3 D158.3 D159.3 D160.3 D161.3 D162.3 D163.3 D164.3 U1.40
ToLEDDataRow1: D96.2 D97.4
ToLEDDataRow2: D111.2 D112.4
ToLEDDataRow3: D126.2 D127.4
ToLEDDataRow4: D140.2 D141.4
ToLEDDataRow5: D154.2 D155.4
Net-(D1-A): D1.2 SW1.2
Net-(D2-A): D2.2 SW2.2
Net-(D3-A): D3.2 SW3.2
Net-(D4-A): D4.2 SW4.2
Net-(D5-A): D5.2 SW5.2
Net-(D6-A): D6.2 SW6.2
Net-(D7-A): D7.2 SW7.2
Net-(D8-A): D8.2 SW8.2
Net-(D9-A): D9.2 SW9.2
Net-(D10-A): D10.2 SW10.2
Net-(D11-A): D11.2 SW11.2
Net-(D12-A): D12.2 SW12.2
Net-(D13-A): D13.2 SW13.2
Net-(D14-A): D14.2 SW14.2
Net-(D15-A): D15.2 SW15.2
Net-(D16-A): D16.2 SW16.2
Net-(D17-A): D17.2 SW17.2
Net-(D18-A): D18.2 SW18.2
Net-(D19-A): D19.2 SW19.2
Net-(D20-A): D20.2 SW20.2
Net-(D21-A): D21.2 SW21.2
Net-(D22-A): D22.2 SW22.2
Net-(D23-A): D23.2 SW23.2
Net-(D24-A): D24.2 SW24.2
Net-(D25-A): D25.2 SW25.2
Net-(D26-A): D26.2 SW26.2
Net-(D27-A): D27.2 SW27.2
Net-(D28-A): D28.2 SW28.2
Net-(D29-A): D29.2 SW29.2
Net-(D30-A): D30.2 SW30.2
Net-(D31-A): D31.2 SW31.2
Net-(D32-A): D32.2 SW32.2
Net-(D33-A): D33.2 SW33.2
Net-(D34-A): D34.2 SW34.2
Net-(D35-A): D35.2 SW35.2
Net-(D36-A): D36.2 SW36.2
Net-(D37-A): D37.2 SW37.2
Net-(D38-A): D38.2 SW38.2
Net-(D39-A): D39.2 SW39.2
Net-(D40-A): D40.2 SW40.2
Net-(D41-A): D41.2 SW41.2
Net-(D42-A): D42.2 SW42.2
Net-(D43-A): D43.2 SW43.2
Net-(D44-A): D44.2 SW44.2
Net-(D45-A): D45.2 SW45.2
Net-(D46-A): D46.2 SW46.2
Net-(D47-A): D47.2 SW47.2
Net-(D48-A): D48.2 SW48.2
Net-(D49-A): D49.2 SW49.2
Net-(D50-A): D50.2 SW50.2
Net-(D51-A): D51.2 SW51.2
Net-(D52-A): D52.2 SW52.2
Net-(D53-A): D53.2 SW53.2
Net-(D54-A): D54.2 SW54.2
Net-(D55-A): D55.2 SW55.2
Net-(D56-A): D56.2 SW56.2
Net-(D57-A): D57.2 SW57.2
Net-(D58-A): D58.2 SW58.2
Net-(D59-A): D59.2 SW59.2
Net-(D60-A): D60.2 SW60.2
Net-(D61-A): D61.2 SW61.2
Net-(D62-A): D62.2 SW62.2
Net-(D63-A): D63.2 SW63.2
Net-(D64-A): D64.2 SW64.2
Net-(D65-A): D65.2 SW65.2
Net-(D66-A): D66.2 SW66.2
Net-(D67-A): D67.2 SW67.2
Net-(D68-A): D68.2 SW68.2
Net-(D69-A): D69.2 SW69.2
Net-(D70-A): D70.2 SW70.2
Net-(D71-A): D71.2 SW71.2
Net-(D72-A): D72.2 SW72.2
Net-(D73-A): D73.2 SW73.2